# Altium PCB EDA-03518-V3-0_pcb.pcbdoc (part 4 of 14)
Units mm, origin at the board's own origin, x right, y up, seen from the top; angles counter-clockwise.
Board outline 220 x 230 mm, 8 copper layers (Top Layer, L2P, L3, L4P, L5P, L6, L7P, Bottom Layer), stack 2.18 mm thick; 1190 components, 1445 nets, 5955 pads, 2149 vias.
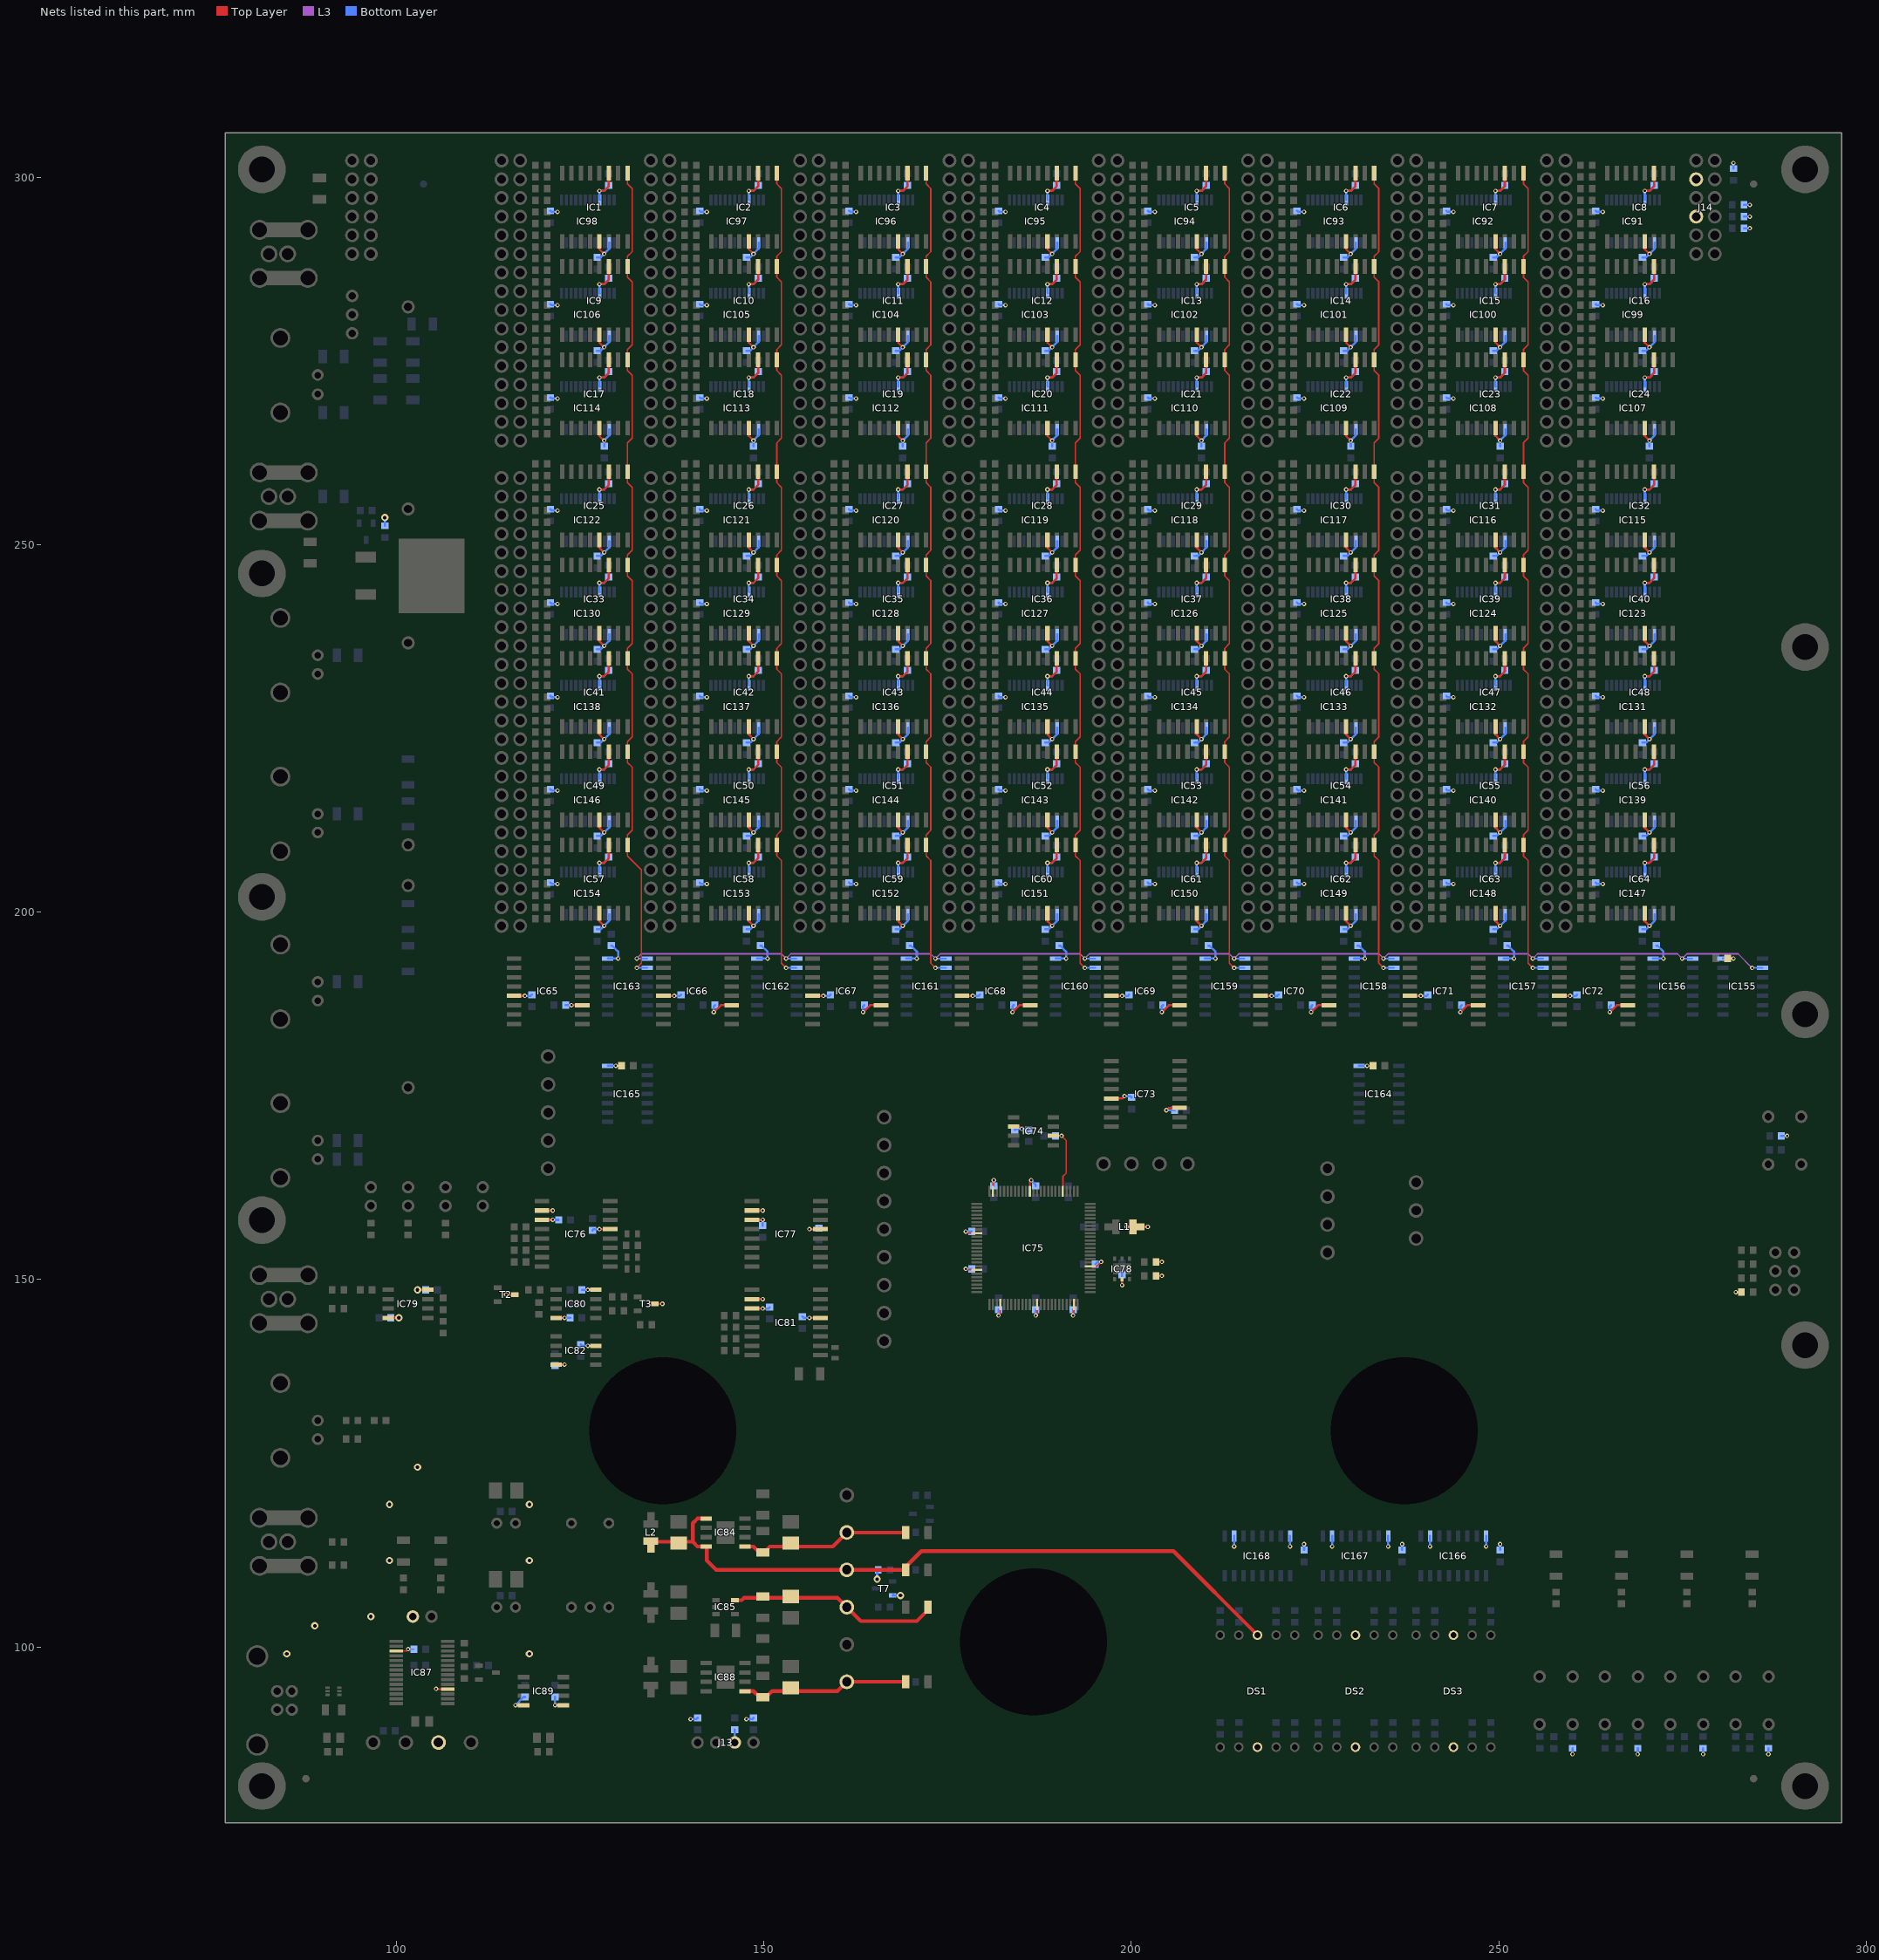
[diagram p10: the nets of this part, all layers, seen from the top]

## Part data (continued)
R659 R660 R661 R662 R663 R664 R665 R666 R667 R668 R669 R670 R674 R675 R676 R677 R678 R679 R680 R681 R682 R683 R684 R685: library part R0603_3K3_1%_0.1W_100PPM, "Resistor - 1%", Case=0603, Manufacturer=GENERIC, Manufacturer1 ComponentHeight=0.55mm, Manufacturer1 Example="NIC COMPONENT", Manufacturer1 Part Number=NRC06F3301TRF, Power=0.1W, Tolerance=±1%, Author="CERN DEM JLC", Component Type=Standard, CreateDate=03/12/2007, HelpURL=\\cern.ch\dfs\Applications\Altium\Datasheets\R0603_NIC_NRC.pdf, LatestRevisionDate=13/03/2008, Manufacturer Part Number=R0603_3K3_1%_0.1W_100PPM, Mounted=Yes, Part Description="General Purpose Thick Film Chip Resistor", Part Number=R0603_3K3_1%_0.1W_100PPM, Pin Count=2, PressFit=No, Sense=No, SMD=Yes, Socket=No, Status=Preferred, TC=±100ppm/°C
ST1: library part SAMTEC_MTLW-103-07-L-S-250, "3 Mini Wire-Wrap Contact Strip Header", Manufacturer=SAMTEC, Manufacturer Part Number=MTLW-103-07-L-S-250, Author="CERN DEM JLC", ClassName=Overlapping, ComponentHeight=7.87mm, Component Type=Standard, CreateDate=13/12/2012, Family="Header 3", HelpURL=\\cern.ch\dfs\Applications\Altium\Datasheets\SAMTEC_MTLW-103-07-L-S-250.pdf, LatestRevisionDate=13/12/2012, Mounted=Yes, Part Description="3 Contacts, Pitch 2.54mm, Single Row Through Mount Straight Header (Post Lead = 6.35mm, Tail Lead 3.05mm, Insulator 1.52mm)", Part Number=SAMTEC_MTLW-103-07-L-S-250, Pin Count=3, PressFit=No, Sense=No, SMD=No, Socket=No, Status=None
ST2 ST3 ST4 ST5 ST6: library part SAMTEC_MTLW-102-07-L-S-250, "2 Mini Wire-Wrap Contact Strip Header", Manufacturer=SAMTEC, Manufacturer Part Number=MTLW-102-07-L-S-250, Author="CERN DEM JLC", ClassName=Overlapping, ComponentHeight=7.87mm, Component Type=Standard, CreateDate=13/12/2012, Family="Header 2", HelpURL=\\cern.ch\dfs\Applications\Altium\Datasheets\SAMTEC_MTLW-102-07-L-S-250.pdf, LatestRevisionDate=13/12/2012, Mounted=Yes, Part Description="2 Contacts, Pitch 2.54mm, Single Row Through Mount Straight Header (Post Lead = 6.35mm, Tail Lead 3.05mm, Insulator 1.52mm)", Part Number=SAMTEC_MTLW-102-07-L-S-250, Pin Count=2, PressFit=No, Sense=No, SMD=No, Socket=No, Status=None
SW1 SW2 SW3: library part STELVIO-KONTEK_3131730000402, "Jumper 1 Pin", Manufacturer=STELVIO-KONTEK, Manufacturer Part Number=3131730000402, Author="CERN DEM JLC", ClassName=Overlapping, ComponentHeight=6.5mm, Component Type=Standard, CreateDate=27/08/2013, Family=Jumper, HelpURL=\\cern.ch\dfs\Applications\Altium\Datasheets\STELVIO-KONTEK_3131730000402.pdf, LatestRevisionDate=27/08/2013, Mounted=Yes, Part Description="Closed Insulated Red Jumper Pitch 2.54mm", Part Number=STELVIO-KONTEK_3131730000402, Pin Count=1, PressFit=No, SCEM=09.55.10.950.1, Sense=No, SMD=No, Socket=No, Status=None
T1: "1500V 2A N-Channel Power MOSFET", Case=TO-263-2L, Manufacturer="ON SEMICONDUCTOR", Author="CERN DEM MR", Bonding=No, ClassName=NotMounted, ComponentHeight=4.5mm, Component Type=Standard, CreateDate=15/03/2016, Device=2SK4177-DL-1E, HelpURL=\\cern.ch\dfs\Applications\Altium\Datasheets\2SK4177-DL-1E.pdf, LatestRevisionDate=15/03/2016, Manufacturer Part Number=2SK4177-DL-1E, Mounted=No, PackageDescription="D2PAK TO-263-2L, TO, 2.54mm Pitch; 2 Pin, 13.4mm L X 10mm W X 4.50mm H Body, IPC Medium Density", Part Description="1500V 2A N-Channel Power MOSFET", Part Number=2SK4177-DL-1E, Pin Count=3, PressFit=No, Sense=No, SMD=Yes, Socket=No
T2 T3 T5 T6: "N-CHANNEL MOSFET WITH DIODE", Case=SOT23-3, Manufacturer="FAIRCHILD SEMICONDUCTOR", Author="CERN DEM JLC", Bonding=No, ComponentHeight=1.3mm, Component Type=Standard, CreateDate=20/08/2008, Device=2N7002, HelpURL=\\cern.ch\dfs\Applications\Altium\Datasheets\2N7002.pdf, LatestRevisionDate=07/04/2009, Manufacturer Part Number=2N7002, PackageDescription="SOT23 3-Leads, Pitch 0.95mm - Body 1.3x2.9mm, IPC Medium Density", Part Description="60V 280mA N-Channel Enhancement Mode Field Effect Transistor (FET)", Part Number=2N7002, Pin Count=3, PressFit=No, Sense=No, SMD=Yes, Socket=No
  T2 T3 T5: ClassName=NotMounted, Mounted=No
  T6: Mounted=Yes
T4: "P-CHANNEL MOSFET WITH ZENER DIODE", Case=SOT23-3, Manufacturer="INTERNATIONAL RECTIFIER", Author="CERN DEM JLC", Bonding=No, ComponentHeight=1.12mm, Component Type=Standard, CreateDate=29/08/2011, Device=IRLML6402PBF, HelpURL=\\cern.ch\dfs\Applications\Altium\Datasheets\IRLML6402PBF.pdf, LatestRevisionDate=29/08/2011, Manufacturer Part Number=IRLML6402PBF, Mounted=Yes, PackageDescription="SOT, 0.95mm, pitch; 3 pin,1.30mm W X 2.92mm L X 1.12mm H body, IPC Medium Density", Part Description="-20V -3.7A P-Channel HEXFET® Power MOSFET", Part Number=IRLML6402PBF, Pin Count=3, PressFit=No, Sense=No, SMD=Yes, Socket=No
T7: "P-CHANNEL MOSFET WITH DIODE", Case=SOT23-3, Manufacturer="NXP SEMICONDUCTORS", Author="CERN DEM JLC", Bonding=No, ComponentHeight=1.1mm, Component Type=Standard, CreateDate=10/05/2010, Device=BSH203, HelpURL=\\cern.ch\dfs\Applications\Altium\Datasheets\BSH203.pdf, LatestRevisionDate=10/05/2010, Manufacturer Part Number=BSH203, Mounted=Yes, PackageDescription="SOT23, 3 pin, Pitch 0.95mm - 1.3mm W X 2.9mm L X 1.1mm H, IPC Medium Density", Part Description="-30V -470mA P-Channel Enhancement Mode MOS Transistor", Part Number=BSH203, Pin Count=3, PressFit=No, Sense=No, SMD=Yes, Socket=No
TP1 TP2 TP3 TP4 TP5 TP6 TP7 TP8 TP9 TP10 TP11 TP12 TP13 TP14 TP15 TP16 TP17 TP18 TP19 TP20 TP21 TP22 TP23 TP24 TP25 TP26 TP27 TP28 TP29 TP30 TP31 TP32 TP33 TP34 TP35: library part VERO_20-2136, "Test Point", Manufacturer="VERO TECHNOLOGIES", Manufacturer Part Number=20-2136, Author="CERN DEM JLC", ClassName=NotMounted, ComponentHeight=5.3mm, Component Type=Standard, CreateDate=21/07/2008, Family="Test Point", HelpURL=\\cern.ch\dfs\Applications\Altium\Datasheets\VERO_20-2136.pdf, LatestRevisionDate=15/07/2013, Mounted=No, Part Description="Black Bead PCB Terminal Test Pin for 1.6mm PCB Thickness (1.32mm Hole)", Part Number=VERO_20-2136, Pin Count=1, PressFit=No, Sense=No, SMD=No, Socket=No, Status=None

## Free pads (board coordinates)
  round 3.5 on Mech9: 1(91.69,66.17) 1(281.69,66.17)
  round 2 on Mech9: 1(101.69,66.17) 1(271.69,66.17) 1(271.69,315.97)
  round 0.8 on Mech9: 1(114.19,76.07) 1(114.19,306.07) 1(115.44,76.07) 1(115.44,306.07) 1(116.69,76.07) 1(116.69,306.07) 1(117.94,76.07) 1(117.94,306.07) 1(119.19,76.07) 1(119.19,306.07) 1(184.19,76.07) 1(184.19,306.07) 1(185.44,76.07) 1(185.44,306.07) 1(186.69,76.07) 1(186.69,306.07) 1(187.94,76.07) 1(187.94,306.07) 1(189.19,76.07) 1(189.19,306.07) 1(254.19,76.07) 1(254.19,306.07) 1(255.44,76.07) 1(255.44,306.07) 1(256.69,76.07) 1(256.69,306.07) 1(257.94,76.07) 1(257.94,306.07) 1(259.19,76.07) 1(259.19,306.07)
  round 6.5 hole 3.5: 1(291.69,81.07) 2(291.69,141.07) 3(291.69,186.07) 4(291.69,236.07) 5(291.69,301.07) 6(81.69,301.07) 7(81.69,246.07) 8(81.69,202.07) 9(81.69,158.07) 10(81.69,81.07)
  round 19 hole 20 unplated mask+1: P2000NP(136.24,129.42) P2000NP(186.69,100.67) P2000NP(237.14,129.42)

## Via types
v1: diameter 0.6, hole 0.3, Top Layer to Bottom Layer, tented both sides, 1995 vias
v2: diameter 1, hole 0.5, Top Layer to Bottom Layer, tented both sides, 154 vias

## Nets (pads, with @x,y where several pads share a name; then routed paths per layer and width w, separated by ;. In a path a pad name is that pad's centre, name@x,y a point inside that pad or via, vN(x,y) a via of type N, cw(c..) or ccw(c..) an arc to the next point about the centre after c; other vN are vias at no path point)
3.3V_USB: C203.2 C207.2 IC87.4 IC87.17 IC89.8 ST6.1 SW3.1 TP34.1 | length 6.9
  Top Layer w0.203: IC87.17@100.005,99.445 101.35,99.445 v1(101.6,99.695) ; v1(105.41,94.297) 105.462,94.245 IC87.4@107.005,94.245
  Top Layer w0.305: v1(116.205,92.075) IC89.8@117.315,92.075
  Bottom Layer w0.203: v1(101.6,99.695) C203.2@102.387,99.695
  Bottom Layer w0.305: v1(116.205,92.075) 117.31,93.18 C207.2@117.475,93.18
  other v2: 85.09,99.06 118.11,99.06 88.9,102.87 96.52,104.14 99.06,111.76 118.11,111.76 99.06,119.38 118.11,119.38 102.87,124.46
+3.3V: C4.2 C5.2 C6.2 C9.1 C145.2 C146.2 C147.2 C148.2 C149.2 C150.2 C151.2 C152.2 C171.2 C172.2 C176.1 C177.1 C183.1 C184.2 C185.1 C186.1 C189.1 C190.1 C191.1 C206.2 C208.2 IC74.2 IC75.14 IC75.24 IC75.34 IC75.44 IC75.54 IC75.64 IC75.74 IC75.83 IC76.2 IC77.2 IC78.5 IC81.2 IC84.1 IC89.1 IC155.14 IC156.14 IC157.14 IC158.14 IC159.14 IC160.14 IC161.14 IC162.14 IC163.14 IC164.14 IC165.14 J13.2 J14.6 J14.10 L1.1 LD1.2 R526.2 R529.2 R534.2 R552.2 R569.2 R570.2 R571.2 R572.2 R573.2 R574.2 R575.2 R576.2 R577.2 R578.2 R579.2 R580.2 R581.2 R582.2 R583.2 R584.2 R585.2 R586.2 R587.2 R588.2 R595.2 R596.2 R597.2 R598.2 R599.2 R600.2 R601.2 R602.2 R605.2 R606.2 R607.2 R608.2 R609.2 R610.2 R611.2 R612.2 R615.2 R616.2 R617.2 R618.2 R619.2 R620.2 R621.2 R622.2 R624.2 R625.2 R626.2 R627.2 R628.2 R629.2 R630.2 R631.2 R632.2 R633.2 R634.2 R635.2 R636.2 R637.2 R638.2 R639.2 R641.2 R642.2 R643.2 R644.2 R645.2 R646.2 R647.2 R648.2 R650.2 R657.2 R672.2 R673.2 R686.2 R688.2 R690.2 R692.2 T2.3 T3.3 T7.2 TP27.1 | length 176.9
  Top Layer w0.203: v1(129.857,179.07) C5.2@130.645,179.07 ; v1(177.482,151.447) 177.625,151.305 IC75.44@178.99,151.305 ; v1(177.482,156.528) 177.705,156.305 IC75.34@178.99,156.305 ; IC75.24@181.19,162.005 181.19,163.41 v1(181.292,163.512) ; v1(181.927,145.097) 182.19,145.36 IC75.54@182.19,146.605 ; IC74.2@183.99,170.815 184.785,170.815 v1(185.102,170.498) ; IC75.14@186.19,162.005 186.19,163.33 v1(186.373,163.512) ; v1(187.007,145.097) 187.19,145.28 IC75.64@187.19,146.605 ; v1(192.088,145.097) 192.19,145.2 IC75.74@192.19,146.605 ; IC75.83@194.39,151.805 195.302,151.805 v1(195.897,152.4) ; v1(198.755,149.225) IC78.5@198.755,150.048 ; v1(199.39,157.162) L1.1@200.223,157.162 v1(202.248,157.162) ; R529.2@203.365,150.495 v1(204.153,150.495) ; R526.2@203.365,152.4 v1(204.153,152.4) ; v1(232.093,179.07) C6.2@232.88,179.07 ; v1(282.257,148.273) R534.2@283.045,148.273
  Top Layer w0.305: v1(114.935,147.955) T2.3@116.085,147.955 ; IC76.2@119.81,159.385 v1(121.285,159.385) ; v1(121.602,92.075) IC89.1@122.715,92.075 ; T3.3@135.135,146.685 v1(136.207,146.685) ; IC81.2@148.385,147.32 v1(149.86,147.32) ; IC77.2@148.385,159.385 v1(149.86,159.385) ; C4.2@281.153,193.675 v1(281.94,193.675)
  Top Layer w0.508: IC84.1@147.43,113.665 148.59,113.665 149.405,112.85 R552.2@149.86,112.85 149.998,112.85 150.812,113.665 153.215,113.665 C9.1@153.67,114.12 154.125,113.665 159.385,113.665 TP27.1@161.29,115.57 LD1.2@169.315,115.57
  Bottom Layer w0.305: R648.2@120.968,204 121.133,203.835 v1(121.92,203.835) ; R639.2@120.968,216.7 121.133,216.535 v1(121.92,216.535) ; R631.2@120.968,229.4 121.133,229.235 v1(121.92,229.235) ; R622.2@120.968,242.1 121.133,241.935 v1(121.92,241.935) ; R612.2@120.968,254.8 121.133,254.635 v1(121.92,254.635) ; R602.2@120.968,270.04 121.133,269.875 v1(121.92,269.875) ; R588.2@120.968,282.74 121.133,282.575 v1(121.92,282.575) ; R578.2@120.968,295.44 121.133,295.275 v1(121.92,295.275) ; v1(121.602,92.075) C206.2@121.602,93.18 ; IC165.14@128.745,179.07 v1(129.857,179.07) ; IC163.14@128.745,193.675 v1(130.175,193.675) 130.175,194.627 129.388,195.415 C152.2@129.222,195.415 ; v1(140.017,90.17) 140.805,90.17 R673.2@140.97,90.335 ; R647.2@141.287,204 141.453,203.835 v1(142.24,203.835) ; R638.2@141.287,216.7 141.453,216.535 v1(142.24,216.535) ; R630.2@141.287,229.4 141.453,229.235 v1(142.24,229.235) ; R621.2@141.287,242.1 141.453,241.935 v1(142.24,241.935) ; R611.2@141.287,254.8 141.453,254.635 v1(142.24,254.635) ; R601.2@141.287,270.04 141.453,269.875 v1(142.24,269.875) ; R587.2@141.287,282.74 141.453,282.575 v1(142.24,282.575) ; R577.2@141.287,295.44 141.453,295.275 v1(142.24,295.275) ; J13.2@146.05,86.995 C208.2@146.05,88.735 ; v1(147.637,90.17) 148.425,90.17 R672.2@148.59,90.335 ; IC162.14@149.065,193.675 v1(150.495,193.675) 150.495,194.627 149.708,195.415 C151.2@149.542,195.415 ; R646.2@161.607,204 161.773,203.835 v1(162.56,203.835) ; R637.2@161.607,216.7 161.773,216.535 v1(162.56,216.535) ; R629.2@161.607,229.4 161.773,229.235 v1(162.56,229.235) ; R620.2@161.607,242.1 161.773,241.935 v1(162.56,241.935) ; R610.2@161.607,254.8 161.773,254.635 v1(162.56,254.635) ; R600.2@161.607,270.04 161.773,269.875 v1(162.56,269.875) ; R586.2@161.607,282.74 161.773,282.575 v1(162.56,282.575) ; R576.2@161.607,295.44 161.773,295.275 v1(162.56,295.275) ; v2(165.417,109.22) 165.417,110.338 R657.2@165.57,110.49 ; T7.2@167.52,107 167.522,106.998 167.64,107.115 167.758,106.998 v2(168.593,106.998) ; IC161.14@169.385,193.675 v1(170.815,193.675) 170.815,194.627 170.028,195.415 C150.2@169.862,195.415 ; v1(177.482,151.447) C186.1@178.27,151.447 ; v1(177.482,156.528) C183.1@178.27,156.528 ; C177.1@181.292,162.725 v1(181.292,163.512) ; v1(181.927,145.097) C191.1@181.927,145.885 ; R645.2@181.927,204 182.093,203.835 v1(182.88,203.835) ; R636.2@181.927,216.7 182.093,216.535 v1(182.88,216.535) ; R628.2@181.927,229.4 182.093,229.235 v1(182.88,229.235) ; R619.2@181.927,242.1 182.093,241.935 v1(182.88,241.935) ; R609.2@181.927,254.8 182.093,254.635 v1(182.88,254.635) ; R599.2@181.927,270.04 182.093,269.875 v1(182.88,269.875) ; R585.2@181.927,282.74 182.093,282.575 v1(182.88,282.575) ; R575.2@181.927,295.44 182.093,295.275 v1(182.88,295.275) ; C171.2@184.15,170.345 184.302,170.498 v1(185.102,170.498) 185.853,170.498 C172.2@186.055,170.295 ; v1(186.373,163.512) 187.007,162.877 C176.1@187.007,162.725 ; v1(187.007,145.097) C190.1@187.007,145.885 ; IC160.14@189.705,193.675 v1(191.135,193.675) 191.135,194.627 190.348,195.415 C149.2@190.183,195.415 ; v1(192.088,145.097) C189.1@192.088,145.885 ; C185.1@195.11,152.082 195.428,152.4 v1(195.897,152.4) ; v1(198.755,149.225) C184.2@198.755,150.647 ; R644.2@202.248,204 202.413,203.835 v1(203.2,203.835) ; R635.2@202.248,216.7 202.413,216.535 v1(203.2,216.535) ; R627.2@202.248,229.4 202.413,229.235 v1(203.2,229.235) ; R618.2@202.248,242.1 202.413,241.935 v1(203.2,241.935) ; R608.2@202.248,254.8 202.413,254.635 v1(203.2,254.635) ; R598.2@202.248,270.04 202.413,269.875 v1(203.2,269.875) ; R584.2@202.248,282.74 202.413,282.575 v1(203.2,282.575) ; R574.2@202.248,295.44 202.413,295.275 v1(203.2,295.275) ; IC159.14@210.025,193.675 v1(211.455,193.675) 211.455,194.627 210.668,195.415 C148.2@210.502,195.415 ; R643.2@222.567,204 222.733,203.835 v1(223.52,203.835) ; R634.2@222.567,216.7 222.733,216.535 v1(223.52,216.535) ; R626.2@222.567,229.4 222.733,229.235 v1(223.52,229.235) ; R617.2@222.567,242.1 222.733,241.935 v1(223.52,241.935) ; R607.2@222.567,254.8 222.733,254.635 v1(223.52,254.635) ; R597.2@222.567,270.04 222.733,269.875 v1(223.52,269.875) ; R583.2@222.567,282.74 222.733,282.575 v1(223.52,282.575) ; R573.2@222.567,295.44 222.733,295.275 v1(223.52,295.275) ; IC158.14@230.345,193.675 v1(231.775,193.675) 231.775,194.627 230.988,195.415 C147.2@230.822,195.415 ; IC164.14@230.98,179.07 v1(232.093,179.07) ; R642.2@242.887,204 243.053,203.835 v1(243.84,203.835) ; R633.2@242.887,216.7 243.053,216.535 v1(243.84,216.535) ; R625.2@242.887,229.4 243.053,229.235 v1(243.84,229.235) ; R616.2@242.887,242.1 243.053,241.935 v1(243.84,241.935) ; R606.2@242.887,254.8 243.053,254.635 v1(243.84,254.635) ; R596.2@242.887,270.04 243.053,269.875 v1(243.84,269.875) ; R582.2@242.887,282.74 243.053,282.575 v1(243.84,282.575) ; R572.2@242.887,295.44 243.053,295.275 v1(243.84,295.275) ; IC157.14@250.665,193.675 v1(252.095,193.675) 252.095,194.627 251.308,195.415 C146.2@251.142,195.415 ; v1(260.032,85.407) R692.2@260.032,86.195 ; R641.2@263.207,204 263.373,203.835 v1(264.16,203.835) ; R632.2@263.207,216.7 263.373,216.535 v1(264.16,216.535) ; R624.2@263.207,229.4 263.373,229.235 v1(264.16,229.235) ; R615.2@263.207,242.1 263.373,241.935 v1(264.16,241.935) ; R605.2@263.207,254.8 263.373,254.635 v1(264.16,254.635) ; R595.2@263.207,270.04 263.373,269.875 v1(264.16,269.875) ; R581.2@263.207,282.74 263.373,282.575 v1(264.16,282.575) ; R571.2@263.207,295.44 263.373,295.275 v1(264.16,295.275) ; v1(268.923,85.407) R690.2@268.923,86.195 ; IC156.14@270.985,193.675 v1(272.415,193.675) 272.415,194.627 271.628,195.415 C145.2@271.462,195.415 ; v1(277.812,85.407) R688.2@277.812,86.195 ; IC155.14@280.51,193.675 v1(281.94,193.675) ; R569.2@281.94,301.155 v1(281.94,301.942) ; R580.2@283.375,293.053 v1(284.162,293.053) ; R579.2@283.375,294.64 v1(284.162,294.64) ; R570.2@283.375,296.227 v1(284.162,296.227) ; v1(286.702,85.407) R686.2@286.702,86.195 ; R650.2@288.455,169.545 v1(289.243,169.545)
+5V: C8.1 C199.2 C200.2 C201.2 DS1.3 DS1.8 DS2.3 DS2.8 DS3.3 DS3.8 IC84.5 IC84.8 IC166.10 IC166.16 IC167.10 IC167.16 IC168.10 IC168.16 L2.2 LD8.2 TP28.1 | length 108
  Top Layer w0.508: L2.2@134.62,113.37 L2.2@134.62,114.42 134.74,114.3 138.25,114.3 C8.1@138.43,114.12 138.61,114.3 140.335,114.3 ; IC84.5@142.13,117.475 140.97,117.475 140.335,116.84 140.335,114.3 ; DS1.8@217.17,101.6 205.74,113.03 171.45,113.03 169.315,110.895 LD8.2@169.315,110.49 TP28.1@161.29,110.49 143.51,110.49 142.24,111.76 142.24,113.555 IC84.8@142.13,113.665 140.97,113.665 140.335,114.3
  Bottom Layer w0.305: v1(213.995,113.665) IC168.10@213.995,115.095 ; v1(221.615,113.665) IC168.16@221.615,115.095 ; C201.2@223.52,113.195 v1(223.52,113.983) ; v1(227.33,113.665) IC167.10@227.33,115.095 ; v1(234.95,113.665) IC167.16@234.95,115.095 ; C200.2@236.855,113.195 v1(236.855,113.983) ; v1(240.665,113.665) IC166.10@240.665,115.095 ; v1(248.285,113.665) IC166.16@248.285,115.095 ; C199.2@250.19,113.195 v1(250.19,113.983)
+15V: C14.1 C25.2 C26.2 C27.2 C28.2 C29.2 C30.2 C31.2 C32.2 C41.2 C42.2 C43.2 C44.2 C45.2 C46.2 C47.2 C48.2 C57.2 C58.2 C59.2 C60.2 C61.2 C62.2 C63.2 C64.2 C73.2 C74.2 C75.2 C76.2 C77.2 C78.2 C79.2 C80.2 C89.2 C90.2 C91.2 C92.2 C93.2 C94.2 C95.2 C96.2 C105.2 C106.2 C107.2 C108.2 C109.2 C110.2 C111.2 C112.2 C121.2 C122.2 C123.2 C124.2 C125.2 C126.2 C127.2 C128.2 C137.2 C138.2 C139.2 C140.2 C141.2 C142.2 C143.2 C144.2 C153.2 C154.2 C155.2 C156.2 C157.2 C158.2 C159.2 C160.2 C169.2 C178.2 C182.2 C187.2 C188.2 C193.2 C196.2 IC1.13 IC2.13 IC3.13 IC4.13 IC5.13 IC6.13 IC7.13 IC8.13 IC9.13 IC10.13 IC11.13 IC12.13 IC13.13 IC14.13 IC15.13 IC16.13 IC17.13 IC18.13 IC19.13 IC20.13 IC21.13 IC22.13 IC23.13 IC24.13 IC25.13 IC26.13 IC27.13 IC28.13 IC29.13 IC30.13 IC31.13 IC32.13 IC33.13 IC34.13 IC35.13 IC36.13 IC37.13 IC38.13 IC39.13 IC40.13 IC41.13 IC42.13 IC43.13 IC44.13 IC45.13 IC46.13 IC47.13 IC48.13 IC49.13 IC50.13 IC51.13 IC52.13 IC53.13 IC54.13 IC55.13 IC56.13 IC57.13 IC58.13 IC59.13 IC60.13 IC61.13 IC62.13 IC63.13 IC64.13 IC65.13 IC66.13 IC67.13 IC68.13 IC69.13 IC70.13 IC71.13 IC72.13 IC73.13 IC76.13 IC77.13 IC79.8 IC80.8 IC81.13 IC82.7 IC88.1 IC91.2 IC92.2 IC93.2 IC94.2 IC95.2 IC96.2 IC97.2 IC98.2 IC99.2 IC100.2 IC101.2 IC102.2 IC103.2 IC104.2 IC105.2 IC106.2 IC107.2 IC108.2 IC109.2 IC110.2 IC111.2 IC112.2 IC113.2 IC114.2 IC115.2 IC116.2 IC117.2 IC118.2 IC119.2 IC120.2 IC121.2 IC122.2 IC123.2 IC124.2 IC125.2 IC126.2 IC127.2 IC128.2 IC129.2 IC130.2 IC131.2 IC132.2 IC133.2 IC134.2 IC135.2 IC136.2 IC137.2 IC138.2 IC139.2 IC140.2 IC141.2 IC142.2 IC143.2 IC144.2 IC145.2 IC146.2 IC147.2 IC148.2 IC149.2 IC150.2 IC151.2 IC152.2 IC153.2 IC154.2 LD10.2 R566.2 R614.2 TP31.1 | length 375.5
  Top Layer w0.305: v2(102.87,148.59) IC79.8@104.3,148.59 ; IC65.13@116,188.595 v1(117.475,188.595) ; v1(126.047,140.97) IC82.7@127.16,140.97 ; v1(126.047,148.59) IC80.8@127.16,148.59 ; v1(127.635,156.845) IC76.13@129.11,156.845 ; IC57.13@127.635,199.82 127.635,198.755 v1(128.27,198.12) ; IC49.13@127.635,212.52 127.635,211.455 v1(128.27,210.82) ; IC41.13@127.635,225.22 127.635,224.155 v1(128.27,223.52) ; IC33.13@127.635,237.92 127.635,236.855 v1(128.27,236.22) ; IC25.13@127.635,250.62 127.635,249.555 v1(128.27,248.92) ; IC17.13@127.635,265.86 127.635,264.795 v1(128.27,264.16) ; IC9.13@127.635,278.56 127.635,277.495 v1(128.27,276.86) ; IC1.13@127.635,291.26 127.635,290.195 v1(128.27,289.56) ; IC66.13@136.32,188.595 v1(137.795,188.595) ; IC58.13@147.955,199.82 147.955,198.755 v1(148.59,198.12) ; IC50.13@147.955,212.52 147.955,211.455 v1(148.59,210.82) ; IC42.13@147.955,225.22 147.955,224.155 v1(148.59,223.52) ; IC34.13@147.955,237.92 147.955,236.855 v1(148.59,236.22) ; IC26.13@147.955,250.62 147.955,249.555 v1(148.59,248.92) ; IC18.13@147.955,265.86 147.955,264.795 v1(148.59,264.16) ; IC10.13@147.955,278.56 147.955,277.495 v1(148.59,276.86) ; IC2.13@147.955,291.26 147.955,290.195 v1(148.59,289.56) ; v1(156.21,144.78) IC81.13@157.685,144.78 ; v1(156.21,156.845) IC77.13@157.685,156.845 ; IC67.13@156.64,188.595 v1(158.115,188.595) ; IC59.13@168.275,199.82 168.275,198.755 v1(168.91,198.12) ; IC51.13@168.275,212.52 168.275,211.455 v1(168.91,210.82) ; IC43.13@168.275,225.22 168.275,224.155 v1(168.91,223.52) ; IC35.13@168.275,237.92 168.275,236.855 v1(168.91,236.22) ; IC27.13@168.275,250.62 168.275,249.555 v1(168.91,248.92) ; IC19.13@168.275,265.86 168.275,264.795 v1(168.91,264.16) ; IC11.13@168.275,278.56 168.275,277.495 v1(168.91,276.86) ; IC3.13@168.275,291.26 168.275,290.195 v1(168.91,289.56) ; IC68.13@176.96,188.595 v1(178.435,188.595) ; IC60.13@188.595,199.82 188.595,198.755 v1(189.23,198.12) ; IC52.13@188.595,212.52 188.595,211.455 v1(189.23,210.82) ; IC44.13@188.595,225.22 188.595,224.155 v1(189.23,223.52) ; IC36.13@188.595,237.92 188.595,236.855 v1(189.23,236.22) ; IC28.13@188.595,250.62 188.595,249.555 v1(189.23,248.92) ; IC20.13@188.595,265.86 188.595,264.795 v1(189.23,264.16) ; IC12.13@188.595,278.56 188.595,277.495 v1(189.23,276.86) ; IC4.13@188.595,291.26 188.595,290.195 v1(189.23,289.56) ; IC73.13@197.28,174.625 198.755,174.625 v1(199.072,174.942) ; IC69.13@197.28,188.595 v1(198.755,188.595) ; IC61.13@208.915,199.82 208.915,198.755 v1(209.55,198.12) ; IC53.13@208.915,212.52 208.915,211.455 v1(209.55,210.82) ; IC45.13@208.915,225.22 208.915,224.155 v1(209.55,223.52) ; IC37.13@208.915,237.92 208.915,236.855 v1(209.55,236.22) ; IC29.13@208.915,250.62 208.915,249.555 v1(209.55,248.92) ; IC21.13@208.915,265.86 208.915,264.795 v1(209.55,264.16) ; IC13.13@208.915,278.56 208.915,277.495 v1(209.55,276.86) ; IC5.13@208.915,291.26 208.915,290.195 v1(209.55,289.56) ; IC70.13@217.6,188.595 v1(219.075,188.595) ; IC62.13@229.235,199.82 229.235,198.755 v1(229.87,198.12) ; IC54.13@229.235,212.52 229.235,211.455 v1(229.87,210.82) ; IC46.13@229.235,225.22 229.235,224.155 v1(229.87,223.52) ; IC38.13@229.235,237.92 229.235,236.855 v1(229.87,236.22) ; IC30.13@229.235,250.62 229.235,249.555 v1(229.87,248.92) ; IC22.13@229.235,265.86 229.235,264.795 v1(229.87,264.16) ; IC14.13@229.235,278.56 229.235,277.495 v1(229.87,276.86) ; IC6.13@229.235,291.26 229.235,290.195 v1(229.87,289.56) ; IC71.13@237.92,188.595 v1(239.395,188.595) ; IC63.13@249.555,199.82 249.555,198.755 v1(250.19,198.12) ; IC55.13@249.555,212.52 249.555,211.455 v1(250.19,210.82) ; IC47.13@249.555,225.22 249.555,224.155 v1(250.19,223.52) ; IC39.13@249.555,237.92 249.555,236.855 v1(250.19,236.22) ; IC31.13@249.555,250.62 249.555,249.555 v1(250.19,248.92) ; IC23.13@249.555,265.86 249.555,264.795 v1(250.19,264.16) ; IC15.13@249.555,278.56 249.555,277.495 v1(250.19,276.86) ; IC7.13@249.555,291.26 249.555,290.195 v1(250.19,289.56) ; IC72.13@258.24,188.595 v1(259.715,188.595) ; IC64.13@269.875,199.82 269.875,198.755 v1(270.51,198.12) ; IC56.13@269.875,212.52 269.875,211.455 v1(270.51,210.82) ; IC48.13@269.875,225.22 269.875,224.155 v1(270.51,223.52) ; IC40.13@269.875,237.92 269.875,236.855 v1(270.51,236.22) ; IC32.13@269.875,250.62 269.875,249.555 v1(270.51,248.92) ; IC24.13@269.875,265.86 269.875,264.795 v1(270.51,264.16) ; IC16.13@269.875,278.56 269.875,277.495 v1(270.51,276.86) ; IC8.13@269.875,291.26 269.875,290.195 v1(270.51,289.56)
  Top Layer w0.508: IC88.1@147.43,93.98 148.59,93.98 149.405,93.165 150.315,93.165 151.13,93.98 153.215,93.98 C14.1@153.67,94.435 154.125,93.98 160.02,93.98 TP31.1@161.29,95.25 LD10.2@169.315,95.25
  Bottom Layer w0.305: R614.2@98.425,252.578 v2(98.425,253.682) ; v2(102.87,148.59) C188.2@103.975,148.59 ; v1(117.475,188.595) 118.262,188.595 C160.2@118.427,188.76 ; C196.2@125.095,141.135 125.26,140.97 v1(126.047,140.97) ; C187.2@125.26,148.59 v1(126.047,148.59) ; C178.2@126.682,156.68 126.848,156.845 v1(127.635,156.845) ; C144.2@127.317,197.65 127.8,197.65 v1(128.27,198.12) 128.973,198.823 IC154.2@128.973,199.665 ; C128.2@127.317,210.35 127.8,210.35 v1(128.27,210.82) 128.973,211.523 IC146.2@128.973,212.365 ; C112.2@127.317,223.05 127.8,223.05 v1(128.27,223.52) 128.973,224.223 IC138.2@128.973,225.065 ; C96.2@127.317,235.75 127.8,235.75 v1(128.27,236.22) 128.973,236.923 IC130.2@128.973,237.765 ; C80.2@127.317,248.45 127.8,248.45 v1(128.27,248.92) 128.973,249.623 IC122.2@128.973,250.465 ; C48.2@127.317,276.39 127.8,276.39 v1(128.27,276.86) 128.973,277.563 IC106.2@128.973,278.405 ; C32.2@127.317,289.09 127.8,289.09 v1(128.27,289.56) 128.973,290.263 IC98.2@128.973,291.105 ; C64.2@128.27,263.373 v1(128.27,264.16) 128.973,264.863 IC114.2@128.973,265.705 ; v1(137.795,188.595) 138.582,188.595 C159.2@138.748,188.76 ; C143.2@147.637,197.65 148.12,197.65 v1(148.59,198.12) 149.293,198.823 IC153.2@149.293,199.665 ; C127.2@147.637,210.35 148.12,210.35 v1(148.59,210.82) 149.293,211.523 IC145.2@149.293,212.365 ; C111.2@147.637,223.05 148.12,223.05 v1(148.59,223.52) 149.293,224.223 IC137.2@149.293,225.065 ; C95.2@147.637,235.75 148.12,235.75 v1(148.59,236.22) 149.293,236.923 IC129.2@149.293,237.765 ; C79.2@147.637,248.45 148.12,248.45 v1(148.59,248.92) 149.293,249.623 IC121.2@149.293,250.465 ; C47.2@147.637,276.39 148.12,276.39 v1(148.59,276.86) 149.293,277.563 IC105.2@149.293,278.405 ; C31.2@147.637,289.09 148.12,289.09 v1(148.59,289.56) 149.293,290.263 IC97.2@149.293,291.105 ; C63.2@148.59,263.373 v1(148.59,264.16) 149.293,264.863 IC113.2@149.293,265.705 ; C193.2@155.257,144.945 155.423,144.78 v1(156.21,144.78) ; v1(156.21,156.845) 157.315,156.845 C182.2@157.48,157.01 ; v1(158.115,188.595) 158.902,188.595 C158.2@159.067,188.76 ; C142.2@167.957,197.65 168.44,197.65 v1(168.91,198.12) 169.613,198.823 IC152.2@169.613,199.665 ; C126.2@167.957,210.35 168.44,210.35 v1(168.91,210.82) 169.613,211.523 IC144.2@169.613,212.365 ; C110.2@167.957,223.05 168.44,223.05 v1(168.91,223.52) 169.613,224.223 IC136.2@169.613,225.065 ; C94.2@167.957,235.75 168.44,235.75 v1(168.91,236.22) 169.613,236.923 IC128.2@169.613,237.765 ; C78.2@167.957,248.45 168.44,248.45 v1(168.91,248.92) 169.613,249.623 IC120.2@169.613,250.465 ; C46.2@167.957,276.39 168.44,276.39 v1(168.91,276.86) 169.613,277.563 IC104.2@169.613,278.405 ; C30.2@167.957,289.09 168.44,289.09 v1(168.91,289.56) 169.613,290.263 IC96.2@169.613,291.105 ; C62.2@168.91,263.373 v1(168.91,264.16) 169.613,264.863 IC112.2@169.613,265.705 ; v1(178.435,188.595) 179.222,188.595 C157.2@179.387,188.76 ; C141.2@188.278,197.65 188.76,197.65 v1(189.23,198.12) 189.933,198.823 IC151.2@189.933,199.665 ; C125.2@188.278,210.35 188.76,210.35 v1(189.23,210.82) 189.933,211.523 IC143.2@189.933,212.365 ; C109.2@188.278,223.05 188.76,223.05 v1(189.23,223.52) 189.933,224.223 IC135.2@189.933,225.065 ; C93.2@188.278,235.75 188.76,235.75 v1(189.23,236.22) 189.933,236.923 IC127.2@189.933,237.765 ; C77.2@188.278,248.45 188.76,248.45 v1(189.23,248.92) 189.933,249.623 IC119.2@189.933,250.465 ; C45.2@188.278,276.39 188.76,276.39 v1(189.23,276.86) 189.933,277.563 IC103.2@189.933,278.405 ; C29.2@188.278,289.09 188.76,289.09 v1(189.23,289.56) 189.933,290.263 IC95.2@189.933,291.105 ; C61.2@189.23,263.373 v1(189.23,264.16) 189.933,264.863 IC111.2@189.933,265.705 ; v1(198.755,188.595) 199.542,188.595 C156.2@199.707,188.76 ; v1(199.072,174.942) 199.873,174.942 C169.2@200.025,174.79 ; C140.2@208.597,197.65 209.08,197.65 v1(209.55,198.12) 210.253,198.823 IC150.2@210.253,199.665 ; C124.2@208.597,210.35 209.08,210.35 v1(209.55,210.82) 210.253,211.523 IC142.2@210.253,212.365 ; C108.2@208.597,223.05 209.08,223.05 v1(209.55,223.52) 210.253,224.223 IC134.2@210.253,225.065 ; C92.2@208.597,235.75 209.08,235.75 v1(209.55,236.22) 210.253,236.923 IC126.2@210.253,237.765 ; C76.2@208.597,248.45 209.08,248.45 v1(209.55,248.92) 210.253,249.623 IC118.2@210.253,250.465 ; C44.2@208.597,276.39 209.08,276.39 v1(209.55,276.86) 210.253,277.563 IC102.2@210.253,278.405 ; C28.2@208.597,289.09 209.08,289.09 v1(209.55,289.56) 210.253,290.263 IC94.2@210.253,291.105 ; C60.2@209.55,263.373 v1(209.55,264.16) 210.253,264.863 IC110.2@210.253,265.705 ; v1(219.075,188.595) 219.862,188.595 C155.2@220.028,188.76 ; C139.2@228.917,197.65 229.4,197.65 v1(229.87,198.12) 230.573,198.823 IC149.2@230.573,199.665 ; C123.2@228.917,210.35 229.4,210.35 v1(229.87,210.82) 230.573,211.523 IC141.2@230.573,212.365 ; C107.2@228.917,223.05 229.4,223.05 v1(229.87,223.52) 230.573,224.223 IC133.2@230.573,225.065 ; C91.2@228.917,235.75 229.4,235.75 v1(229.87,236.22) 230.573,236.923 IC125.2@230.573,237.765 ; C75.2@228.917,248.45 229.4,248.45 v1(229.87,248.92) 230.573,249.623 IC117.2@230.573,250.465 ; C43.2@228.917,276.39 229.4,276.39 v1(229.87,276.86) 230.573,277.563 IC101.2@230.573,278.405 ; C27.2@228.917,289.09 229.4,289.09 v1(229.87,289.56) 230.573,290.263 IC93.2@230.573,291.105 ; C59.2@229.87,263.373 v1(229.87,264.16) 230.573,264.863 IC109.2@230.573,265.705 ; v1(239.395,188.595) 240.182,188.595 C154.2@240.347,188.76 ; C138.2@249.237,197.65 249.72,197.65 v1(250.19,198.12) 250.893,198.823 IC148.2@250.893,199.665 ; C122.2@249.237,210.35 249.72,210.35 v1(250.19,210.82) 250.893,211.523 IC140.2@250.893,212.365 ; C106.2@249.237,223.05 249.72,223.05 v1(250.19,223.52) 250.893,224.223 IC132.2@250.893,225.065 ; C90.2@249.237,235.75 249.72,235.75 v1(250.19,236.22) 250.893,236.923 IC124.2@250.893,237.765 ; C74.2@249.237,248.45 249.72,248.45 v1(250.19,248.92) 250.893,249.623 IC116.2@250.893,250.465 ; C42.2@249.237,276.39 249.72,276.39 v1(250.19,276.86) 250.893,277.563 IC100.2@250.893,278.405 ; C26.2@249.237,289.09 249.72,289.09 v1(250.19,289.56) 250.893,290.263 IC92.2@250.893,291.105 ; C58.2@250.19,263.373 v1(250.19,264.16) 250.893,264.863 IC108.2@250.893,265.705 ; v1(259.715,188.595) 260.502,188.595 C153.2@260.667,188.76 ; C137.2@269.558,197.65 270.04,197.65 v1(270.51,198.12) 271.213,198.823 IC147.2@271.213,199.665 ; C121.2@269.558,210.35 270.04,210.35 v1(270.51,210.82) 271.213,211.523 IC139.2@271.213,212.365 ; C105.2@269.558,223.05 270.04,223.05 v1(270.51,223.52) 271.213,224.223 IC131.2@271.213,225.065 ; C89.2@269.558,235.75 270.04,235.75 v1(270.51,236.22) 271.213,236.923 IC123.2@271.213,237.765 ; C73.2@269.558,248.45 270.04,248.45 v1(270.51,248.92) 271.213,249.623 IC115.2@271.213,250.465 ; C41.2@269.558,276.39 270.04,276.39 v1(270.51,276.86) 271.213,277.563 IC99.2@271.213,278.405 ; C25.2@269.558,289.09 270.04,289.09 v1(270.51,289.56) 271.213,290.263 IC91.2@271.213,291.105 ; C57.2@270.51,263.373 v1(270.51,264.16) 271.213,264.863 IC107.2@271.213,265.705